# KiCad board ergodonk_simple_zero.kicad_pcb (continued)
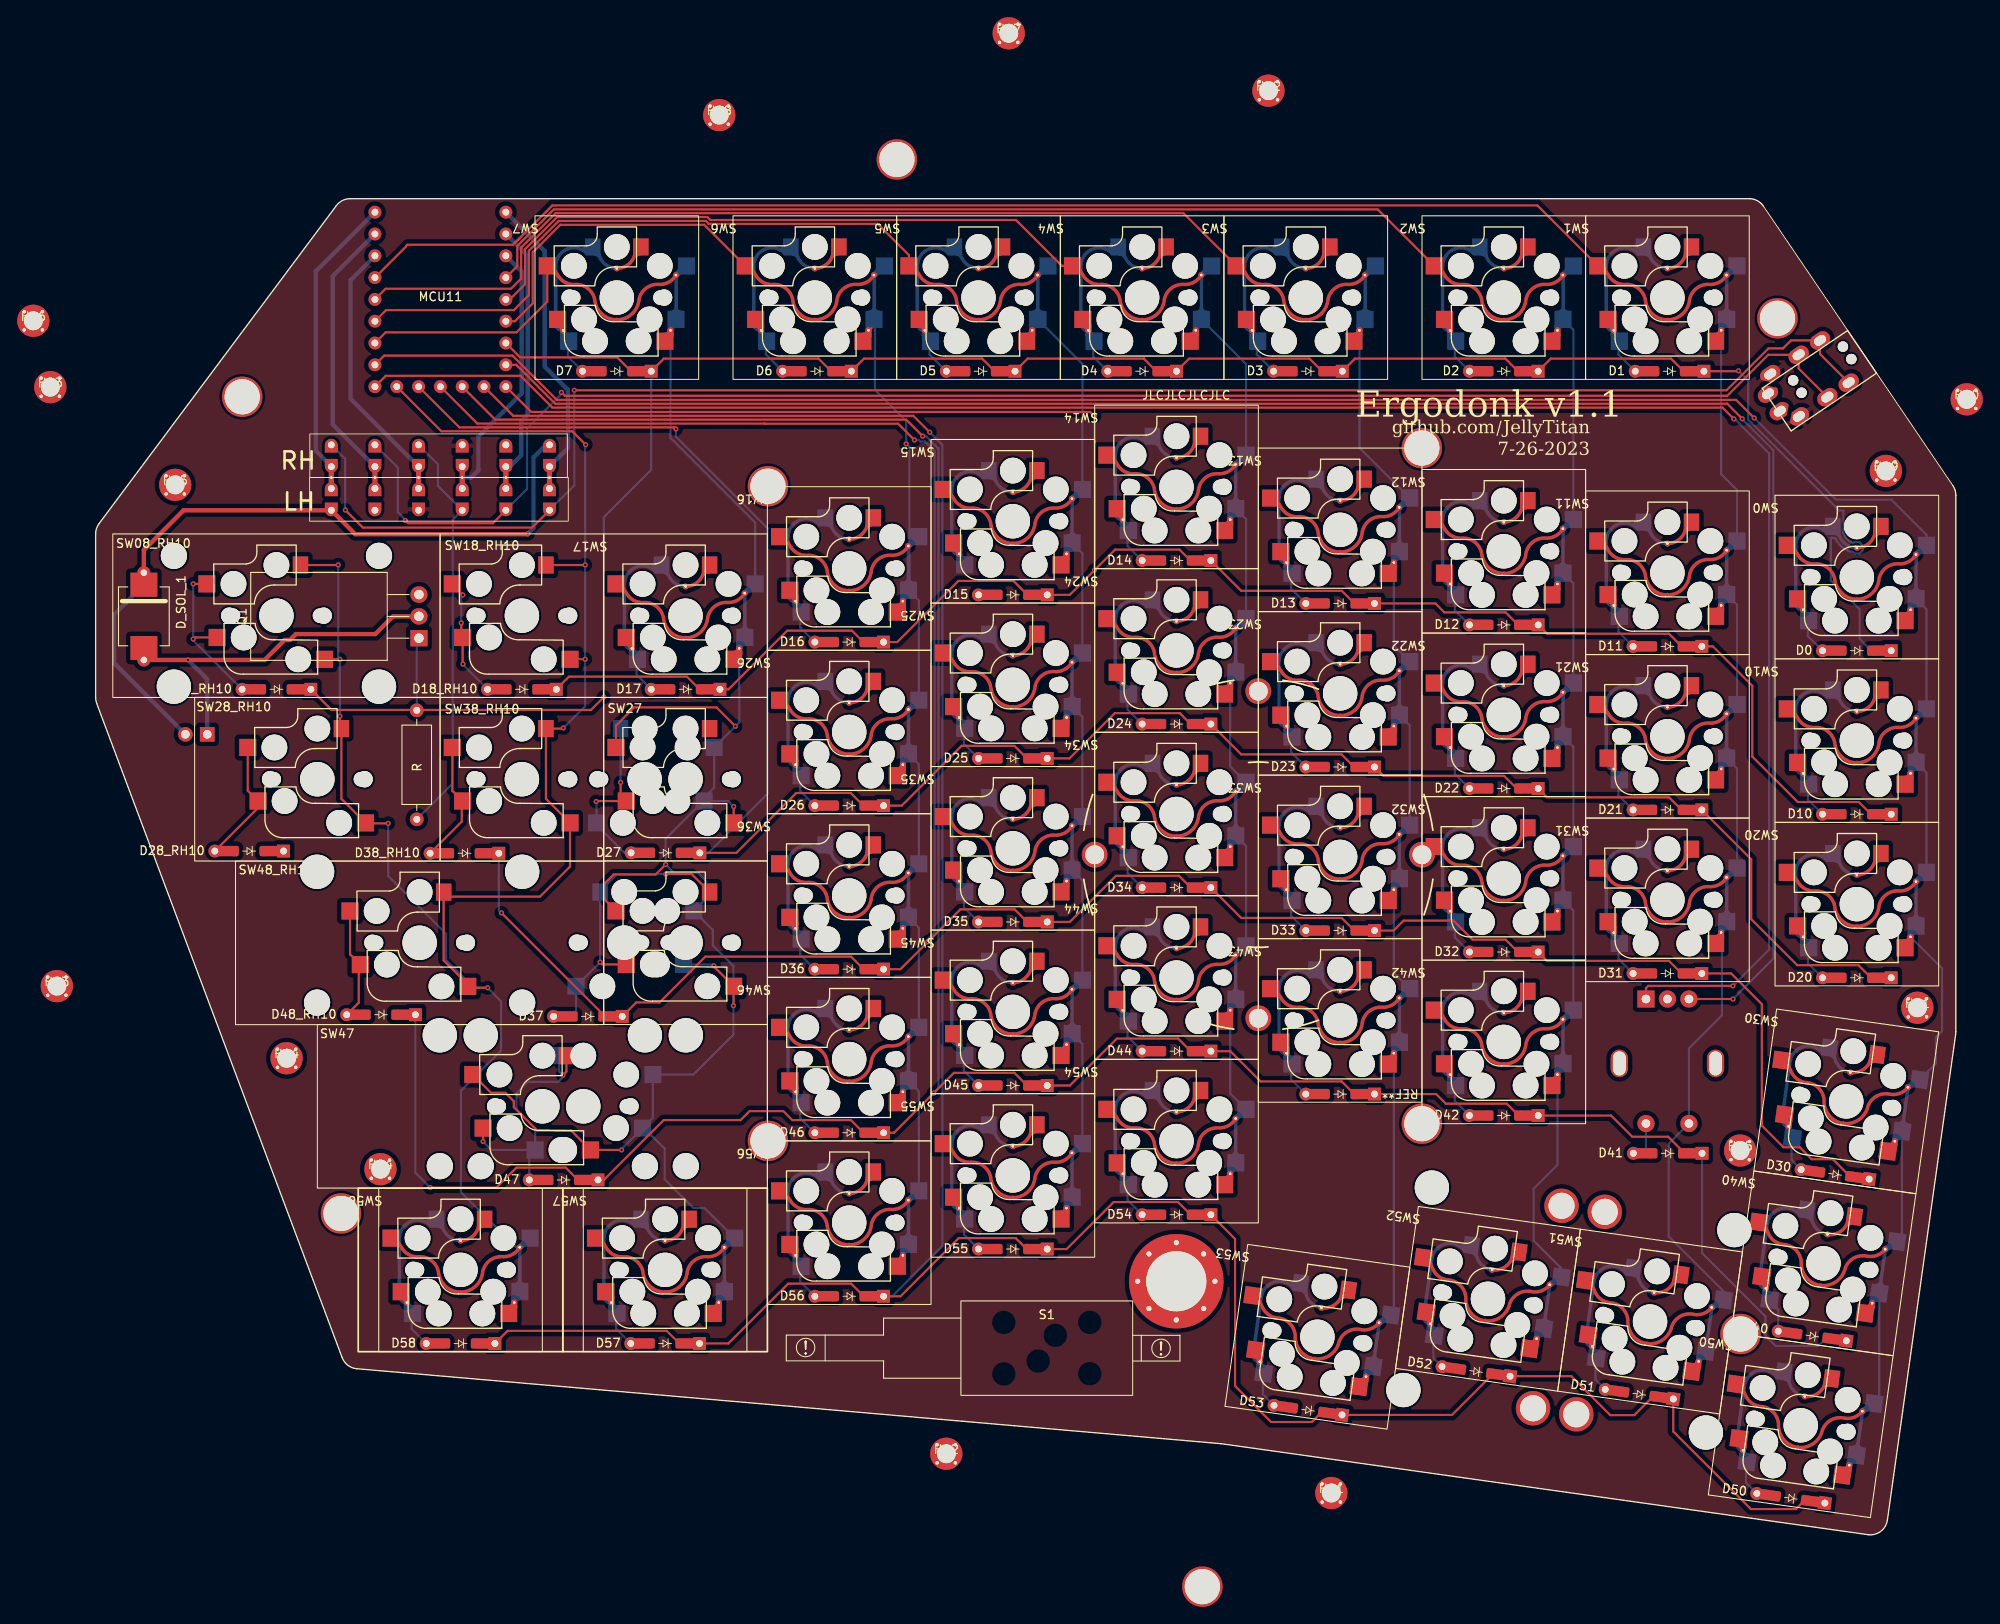
[diagram p0: board, top side]
## Footprints (pads in the part's own frame, mm; a bottom-side part is the same pattern mirrored in y, then rotated)
CherryMX_Choc_Hotswap_ergodonk_simple_zero_56
  round 1.9 hole 1.9 unplated: (-5.5,0) (5.5,0)
  round 1.7 hole 1.7 unplated: (-5.08,0) (5.08,0)
  round 3 hole 3 unplated: (-5,-3.7) (-3.81,2.54) (-2.54,5.08) (0,-5.9) (2.54,5.08) (3.81,2.54) (5,-3.7)
  round 4 hole 4 unplated: (0,0)
  rect 1.8x2 smd: 5(-2.8,-5.9)
  custom 3.033x2.595 smd: 5(0,-3.4)
  round 0.7 hole 0.3: 5(0,-3.4) 5(6.25,3.81) 6(-6.882,-2.624) 6(-6.25,3.81)
  custom 2.983x2.545 smd far side: 5(1.523,-4.027)
  rrect 1.8x2 smd far side: 5(2.8,-5.9)
  rect 2x2 smd far side: 5(5.6,5.08) 6(-8.1,-3.7) 6(-6.9,2.54)
  custom 1.33x1.33 smd: 5(6.19,3.21) 6(-6.29,4.35)
  rect 2x2 smd: 5(6.9,2.54) 6(-5.6,5.08) 6(8.1,-3.7)
  custom 4.025x11.24 smd far side: 5(7.122,-0.355)
  custom 2.385x6.79 smd far side: 6(-6.9,0.06)
  custom 1.33x1.33 smd far side: 6(-6.29,3.34)
  custom 14.792x6.619 smd: 6(-0.004,2.589)
CherryMX_Choc_Hotswap_ergodonk_simple_zero_SS
  round 1.9 hole 1.9 unplated: (-5.5,0) (5.5,0)
  round 1.7 hole 1.7 unplated: (-5.08,0) (5.08,0)
  round 3 hole 3 unplated: (-2.54,5.08) (0,-5.9) (3.81,2.54) (5,-3.7)
  round 4 hole 4 unplated: (0,0)
  rect 2x2 smd: 5(6.9,2.54) 5(8.1,-3.7) 6(-5.6,5.08)
  rect 1.8x2 smd: 6(-2.8,-5.9)
CherryMX_Choc_Hotswap_ergodonk_simple_zero_SS_1.5U
  round 1.9 hole 1.9 unplated: (-5.5,0) (5.5,0)
  round 1.7 hole 1.7 unplated: (-5.08,0) (5.08,0)
  round 3 hole 3 unplated: (-5,3.7) (-3.81,-2.54) (0,5.9) (2.54,-5.08)
  round 4 hole 4 unplated: (0,0)
  rect 2x2 smd: 5(-8.1,3.7) 5(-6.9,-2.54) 6(5.6,-5.08)
  rect 1.8x2 smd: 6(2.8,5.9)
CherryMX_Choc_Hotswap_ergodonk_simple_zero_SS_1.5uLH_1uRH
  round 1.9 hole 1.9 unplated: (-10.262,0) (-5.5,0) (0.738,0) (5.5,0)
  round 1.7 hole 1.7 unplated: (-9.842,0) (-5.08,0) (0.318,0) (5.08,0)
  round 3 hole 3 unplated: (-7.303,-5.08) (-5,3.7) (-4.763,5.9) (-3.81,-2.54) (-0.953,-2.54) (0,5.9) (0.237,3.7) (2.54,-5.08)
  round 4 hole 4 unplated: (-4.763,0) (0,0)
  rect 2x2 smd far side: 5(-10.363,-5.08) 6(2.138,-2.54) 6(3.337,3.7)
  rect 1.8x2 smd far side: 5(-7.562,5.9)
  rect 2x2 smd: 5(-6.9,-2.54) 6(-8.1,3.7) 6(5.6,-5.08)
  rect 1.8x2 smd: 5(2.8,5.9)
CherryMX_Choc_Hotswap_ergodonk_simple_zero_SS_1.75uLH_1uRH
  round 1.9 hole 1.9 unplated: (-12.644,0) (-5.5,0) (-1.644,0) (5.5,0)
  round 1.7 hole 1.7 unplated: (-12.224,0) (-5.08,0) (-2.064,0) (5.08,0)
  round 3 hole 3 unplated: (-9.684,-5.08) (-7.144,5.9) (-5,3.7) (-3.81,-2.54) (-3.334,-2.54) (-2.144,3.7) (0,5.9) (2.54,-5.08)
  round 4 hole 4 unplated: (-7.144,0) (0,0)
  rect 2x2 smd far side: 5(-12.744,-5.08) 6(-0.244,-2.54) 6(0.956,3.7)
  rect 1.8x2 smd far side: 5(-9.944,5.9)
  rect 2x2 smd: 5(-6.9,-2.54) 6(-8.1,3.7) 6(5.6,-5.08)
  rect 1.8x2 smd: 5(2.8,5.9)
CherryMX_Choc_Hotswap_ergodonk_simple_zero_SS_2.25U
  round 3.988 hole 3.988 unplated: (-11.938,8.27) (11.938,8.27)
  round 3.048 hole 3.048 unplated: (-11.938,-6.97) (11.938,-6.97)
  round 1.9 hole 1.9 unplated: (-5.5,0) (5.5,0)
  round 1.7 hole 1.7 unplated: (-5.08,0) (5.08,0)
  round 3 hole 3 unplated: (-5,3.7) (-3.81,-2.54) (0,5.9) (2.54,-5.08)
  round 4 hole 4 unplated: (0,0)
  rect 2x2 smd: 5(-8.1,3.7) 5(-6.9,-2.54) 6(5.6,-5.08)
  rect 1.8x2 smd: 6(2.8,5.9)
CherryMX_Choc_Hotswap_ergodonk_simple_zero_SS_2.25uLH 2.75uRH
  round 3.988 hole 3.988 unplated: (-16.701,7.591) (-11.938,7.591) (7.176,7.591) (11.938,7.591)
  round 3.048 hole 3.048 unplated: (-16.701,-7.649) (-11.938,-7.649) (7.176,-7.649) (11.938,-7.649)
  round 1.9 hole 1.9 unplated: (-10.262,-0.679) (-5.5,-0.679) (0.738,-0.679) (5.5,-0.679)
  round 1.7 hole 1.7 unplated: (-9.842,-0.679) (-5.08,-0.679) (0.318,-0.679) (5.08,-0.679)
  round 3 hole 3 unplated: (-9.762,3.021) (-8.572,-3.219) (-4.763,5.221) (-2.54,-5.759) (-2.223,-5.759) (0,5.221) (3.81,-3.219) (5,3.021)
  round 4 hole 4 unplated: (-4.763,-0.679) (0,-0.679)
  rect 2x2 smd: 5(-11.662,-3.219) 6(-12.863,3.021) 6(0.838,-5.759)
  rect 2x2 smd far side: 5(-5.6,-5.759) 6(6.9,-3.219) 6(8.1,3.021)
  rect 1.8x2 smd far side: 5(-2.8,5.221)
  rect 1.8x2 smd: 5(-1.962,5.221)
CherryMX_Choc_Hotswap_ergodonk_simple_zero_SS_2U
  round 3.048 hole 3.048 unplated: (-11.938,6.97) (11.938,6.97)
  round 3.988 hole 3.988 unplated: (-11.938,-8.27) (11.938,-8.27)
  round 1.9 hole 1.9 unplated: (-5.5,0) (5.5,0)
  round 1.7 hole 1.7 unplated: (-5.08,0) (5.08,0)
  round 3 hole 3 unplated: (-5,3.7) (-3.81,-2.54) (0,5.9) (2.54,-5.08)
  round 4 hole 4 unplated: (0,0)
  rect 2x2 smd: 5(-8.1,3.7) 5(-6.9,-2.54) 6(5.6,-5.08)
  rect 1.8x2 smd: 6(2.8,5.9)
D_SOD-123_DO-35_Hybrid_DoubleSided_ergodonk_simple_zero
  rect 1.5x1.5 hole 0.8: 1(-4,0)
  rect 1.6x1.2 smd far side: 1(-2.75,0) 2(2.7,0)
  rect 1.6x1.2 smd: 1(-2.7,0)
  rrect 0.9x1.2 smd: 1(-1.65,0) 2(1.65,0)
  rrect 0.9x1.2 smd far side: 1(-1.65,0) 2(1.65,0)
  rect 1.94x1.2 smd: 2(2.87,0)
  round 1.5 hole 0.8: 2(4,0)
Hole from sofle for M2 posts gold rimmer
  round 4.7 hole 4.1: (0,0)
Level Shifter Bypass Jumper simple_zero
  rrect 1.6x1.5 hole 0.8: 1(1.27,0) 2(-3.81,0) 2(-1.27,0) 3(-6.35,0)
  round 0.6 hole 0.3: 2(-2.54,0)
M2_Hole_fancy_for_bolt-on-plate
  round 0.5 hole 0.4: 1(-1.061,1.061) 1(-1.061,-1.061) 1(1.061,1.061) 1(1.061,-1.061)
  round 3.75 hole 2.2: 1(0,0)
MJ-4PP-9_CANTOR_KITCHEN_SINK
  round 1.2 hole 1.2 unplated: (-1.75,-1.5) (-1.75,-8.5) (0,-1.5) (0,-8.5)
  rrect 1.7x2.5 hole 1x1.5: 1(-2.1,-11.8) 1(0.35,-11.8) 2(-3.85,-10.3) 2(2.1,-10.3)
  oval 1.7x2.5 hole 1x1.5: 3(-3.85,-6.3) 3(2.1,-6.3) 4(-3.85,-3.3) 4(2.1,-3.3)
MUR340S_IN4001_TH_HYBRID
  rect 2.795x3.12 smd: A(3.683,0) C(-3.683,0)
  rect 2.795x3.12 smd far side: A(3.683,0) C(-3.683,0)
  round 1.524 hole 0.762: A(5.08,0) C(-5.08,0)
PinHeader_1x02_P2.54mm_Vertical
  rect 1.7x1.7 hole 1: 1(0,0)
  oval 1.7x1.7 hole 1: 2(0,-2.54)
R_Axial_DIN0309_L9.0mm_D3.2mm_P12.70mm_Horizontal
  round 1.6 hole 0.8: 1(0,0)
  oval 1.6x1.6 hole 0.8: 2(12.7,0)
RotaryEncoder_EC11_ergodonk_variant
  oval 3.2x2 hole 2.8x1.5 unplated: (0,-5.6) (0,5.6)
  rect 2x2 hole 1: A(-7.5,2.5)
  round 2 hole 1: B(-7.5,-2.5) C(-7.5,0) S1(7,-2.5) S2(7,2.5)
rp2040 Zero simple_zero
  round 1.5 hole 0.8: 1(7.61,10.35) 2(7.61,7.81) 3(7.61,5.27) 4(7.61,2.73) 5(7.61,0.19) 6(7.61,-2.35) 7(7.61,-4.89) 8(7.61,-7.43) 9(7.61,-9.97) 10(5.07,-9.97) 11(2.53,-9.97) 12(-0.01,-9.97) 13(-2.55,-9.97) 14(-5.09,-9.97) 15(-7.63,-9.97) 16(-7.63,-7.43) 17(-7.63,-4.89) 18(-7.63,-2.35) 19(-7.63,0.19) 20(-7.63,2.73) 21(-7.63,5.27) 22(-7.63,7.81) 23(-7.63,10.35)
STAB_MX_P_2u
  round 4 hole 3.048: (-11.906,6.985) (11.906,6.985)
  round 3.988 hole 3.988 unplated: (-11.906,-8.255) (11.906,-8.255)
Tenting_Puck.kicad_mod_nocenter
  round 3 hole 2.2: 1(-19.05,0) 1(0,19.05) 1(0,-19.05) 1(19.05,0)
TO-220-3_Horizontal_TabDown
  oval 3.5x3.5 hole 3.5 unplated: (2.54,16.66)
  rect 1.905x2 hole 1.1: 1(0,0)
  oval 1.905x2 hole 1.1: 2(2.54,0) 3(5.08,0)
uxcell a14092600ux0438 solenoid
  round 0.001 hole 2.2 unplated: (-5,3) (-5,-3) (-1,-1.5) (1,1.5) (5,3) (5,-2.975)
  round 0.9 hole 0.6: 1(10.578,7.792) 1(11.896,10.974) 1(11.896,4.61) 1(15.078,12.292) 1(15.078,3.292) 1(18.26,10.974) 1(18.26,4.61) 1(19.578,7.792)
  round 11 hole 7: 1(15.078,7.792)

## Nets
+5V: D_SOL_1.C J_SOL_1.2 JP10.1 JP13.1
GND: J11.1 JP11.1 JP14.1 Q1.3 SWLH_ROT1.C
VCC: J11.2 JP12.1 JP15.1
col0: MCU11.16 SW0.6 SW10.6 SW20.6 SW30.6 SW40.6 SW50.6
col2: MCU11.4 SW2.6 SW12.6 SW22.6 SW32.6 SW42.6 SW52.6
col3: MCU11.19 SW3.6 SW13.6 SW23.6 SW33.6 SW43.6 SW53.6
col4: MCU11.5 SW4.6 SW14.6 SW24.6 SW34.6 SW44.6 SW54.6
col5: MCU11.18 SW5.6 SW15.6 SW25.6 SW35.6 SW45.6 SW55.6
col6: MCU11.6 SW6.6 SW16.6 SW26.6 SW36.6 SW46.6 SW56.6
col7: MCU11.17 SW7.6 SW17.6 SW27.6 SW37.6 SW47.6 SW57.6
col8: MCU11.14 SW08_RH10.6 SW18_RH10.6 SW28_RH10.6 SW38_RH10.6 SW48_RH10.6 SW58.6
encA: MCU11.15 SWLH_ROT1.A
encB: MCU11.8 SWLH_ROT1.B
row0: D0.1 D1.1 D2.1 D3.1 D4.1 D5.1 D6.1 D7.1 D08_RH10.1 MCU11.7
row1: D10.1 D11.1 D12.1 D13.1 D14.1 D15.1 D16.1 D17.1 D18_RH10.1 MCU11.9
row2: D20.1 D21.1 D22.1 D23.1 D24.1 D25.1 D26.1 D27.1 D28_RH10.1 MCU11.13
row3: D30.1 D31.1 D32.1 D33.1 D34.1 D35.1 D36.1 D37.1 D38_RH10.1 MCU11.12
row4: D40.1 D41.1 D42.1 D43.1 D44.1 D45.1 D46.1 D47.1 D48_RH10.1 MCU11.11
row5: D50.1 D51.1 D52.1 D53.1 D54.1 D55.1 D56.1 D57.1 D58.1 MCU11.10
RX: J11.3 JP11.3 JP14.3
SOLENOID_CONTROL: JP12.3 JP15.3 R2.2
SW41A: MCU11.20 SW1.6 SW11.6 SW21.6 SW31.6 SW51.6 SWLH_ROT1.S1
SW41B: D41.2 SWLH_ROT1.S2
TX: J11.4 JP10.3 JP13.3
Net-(D0-A): D0.2 SW0.5
Net-(D1-A): D1.2 SW1.5
Net-(D2-A): D2.2 SW2.5
Net-(D3-A): D3.2 SW3.5
Net-(D4-A): D4.2 SW4.5
Net-(D5-A): D5.2 SW5.5
Net-(D6-A): D6.2 SW6.5
Net-(D7-A): D7.2 SW7.5
Net-(D08_RH10-A): D08_RH10.2 SW08_RH10.5
Net-(D10-A): D10.2 SW10.5
Net-(D11-A): D11.2 SW11.5
Net-(D12-A): D12.2 SW12.5
Net-(D13-A): D13.2 SW13.5
Net-(D14-A): D14.2 SW14.5
Net-(D15-A): D15.2 SW15.5
Net-(D16-A): D16.2 SW16.5
Net-(D17-A): D17.2 SW17.5
Net-(D18_RH10-A): D18_RH10.2 SW18_RH10.5
Net-(D20-A): D20.2 SW20.5
Net-(D21-A): D21.2 SW21.5
Net-(D22-A): D22.2 SW22.5
Net-(D23-A): D23.2 SW23.5
Net-(D24-A): D24.2 SW24.5
Net-(D25-A): D25.2 SW25.5
Net-(D26-A): D26.2 SW26.5
Net-(D27-A): D27.2 SW27.5
Net-(D28_RH10-A): D28_RH10.2 SW28_RH10.5
Net-(D30-A): D30.2 SW30.5
Net-(D31-A): D31.2 SW31.5
Net-(D32-A): D32.2 SW32.5
Net-(D33-A): D33.2 SW33.5
Net-(D34-A): D34.2 SW34.5
Net-(D35-A): D35.2 SW35.5
Net-(D36-A): D36.2 SW36.5
Net-(D37-A): D37.2 SW37.5
Net-(D38_RH10-A): D38_RH10.2 SW38_RH10.5
Net-(D40-A): D40.2 SW40.5
Net-(D42-A): D42.2 SW42.5
Net-(D43-A): D43.2 SW43.5
Net-(D44-A): D44.2 SW44.5
Net-(D45-A): D45.2 SW45.5
Net-(D46-A): D46.2 SW46.5
Net-(D47-A): D47.2 SW47.5
Net-(D48_RH10-A): D48_RH10.2 SW48_RH10.5
Net-(D50-A): D50.2 SW50.5
Net-(D51-A): D51.2 SW51.5
Net-(D52-A): D52.2 SW52.5
Net-(D53-A): D53.2 SW53.5
Net-(D54-A): D54.2 SW54.5
Net-(D55-A): D55.2 SW55.5
Net-(D56-A): D56.2 SW56.5
Net-(D57-A): D57.2 SW57.5
Net-(D58-A): D58.2 SW58.5
Net-(J_SOL_1-Pin_1): D_SOL_1.A J_SOL_1.1 Q1.2
Net-(JP10-C): JP10.2 MCU11.1
Net-(JP11-C): JP11.2 MCU11.2
Net-(JP12-C): JP12.2 MCU11.3
Net-(JP13-C): JP13.2 MCU11.23
Net-(JP14-C): JP14.2 MCU11.22
Net-(JP15-C): JP15.2 MCU11.21
Net-(Q1-B): Q1.1 R2.1

Pads without a net: H11 1; H12 1; H13 1; H14 1; H15 1; H16 1; H17 1; H18 1; H19 1; H20 1; H21 1; H22 1; H23 1; H24 1; H25 1; REF** 1; S1 1

## Via types
v1: diameter 0.6, hole 0.3, Top to Bottom, 50 vias

## Routing (per net, layer and track width the routed paths; a pad name or vN(x,y) marks a point on that pad's centre or on a via; arc(x,y) is an arc through that point)
+5V: length 84.4
  Top w0.5: v1(50.33,116.59) 50.27,116.54 30.22,116.54 JP13.1 10.24,119.33 5.61,114.7 D_SOL_1.C
  Bottom w0.5: J_SOL_1.2 2.16,101.52 2.16,107.19 D_SOL_1.C ; JP10.1 52.42,126.95 50.97,125.5 50.97,117.24 v1(50.33,116.59)
col0: length 263
  Top w0.25: MCU11.16 33.59,137.34 48.53,137.34 53.68,132.19 190.96,132.19 v1(193.07,130.08)
  Bottom w0.25: SW0.6 213.12,107.81 SW10.6 ; SW20.6 213.12,88.76 SW10.6 ; SW30.6 210.27,34.74 SW40.6 ; SW30.6 214.22,54.9 214.22,57.92 214.94,58.65 214.94,65.97 SW20.6 ; SW50.6 207.62,15.87 SW40.6 ; SW0.6 213.12,116.5 209.06,120.57 202.58,120.57 v1(193.07,130.08)
col2: length 205.3
  Top w0.25: MCU11.4 49.08,147.76 49.08,150.11 53.35,154.38 149.25,154.38 SW2.6 ; 170.33,140.34 170.27,140.29
  Bottom w0.25: SW12.6 172.02,110.81 SW22.6 ; SW52.6 170.62,31.02 167.39,34.25 167.39,40.3 170.18,43.08 SW42.6 ; SW22.6 172.02,91.76 SW32.6 ; SW42.6 172.02,72.71 SW32.6 ; SW12.6 172.02,140.36 SW2.6
col3: length 199.8
  Top w0.25: SW3.6 126.64,153.93 53.54,153.93 49.53,149.92 49.53,146.31 48.36,145.13 33.75,145.13 MCU11.19
  Bottom w0.25: SW53.6 151.12,25.95 SW43.6 ; 151.28,75.19 151.23,75.14 151.28,75.08 ; SW3.6 147.12,126.6 SW13.6 ; 151.28,56.14 151.23,56.09 ; SW13.6 151.12,103.55 SW23.6 ; SW33.6 151.12,65.45 SW43.6 ; SW23.6 152.98,94.26 SW33.6
col4: length 143.9
  Top w0.25: MCU11.5 48.22,143.89 49.98,145.66 49.98,149.74 53.72,153.48 71.22,153.48 71.56,153.14 107.14,153.14 112.48,147.8 SW4.6
  Bottom w0.25: SW24.6 133.93,118.31 SW14.6 ; SW44.6 132.07,51.4 SW54.6 ; SW14.6 133.93,136.36 SW4.6 ; SW34.6 132.07,89.5 SW24.6 ; SW44.6 133.93,80.21 SW34.6
col5: length 148.2
  Top w0.25: SW5.6 94.67,149.05 91.03,152.69 71.37,152.69 71.03,153.03 53.91,153.03 50.44,149.55 50.44,144.39 48.68,142.64 33.8,142.64 MCU11.18 ; 109.18,140.34 109.12,140.29
  Bottom w0.25: SW25.6 114.87,95.26 SW35.6 ; SW5.6 114.87,136.36 SW15.6 ; SW55.6 114.87,57.16 SW45.6 ; SW15.6 114.87,114.31 SW25.6 ; SW45.6 114.87,76.21 SW35.6
col6: length 124.8
  Top w0.25: SW6.6 70.84,152.58 54.09,152.58 50.89,149.37 50.89,143.41 48.82,141.35 MCU11.6 ; 90.33,140.55 90.08,140.29
  Bottom w0.25: SW36.6 95.83,70.71 SW46.6 ; SW36.6 95.83,89.76 SW26.6 ; SW46.6 95.83,51.66 SW56.6 ; SW26.6 95.83,108.81 SW16.6 ; 90.72,141.52 90.72,133.35 94.36,129.72 v1(94.36,127.06) 94.73,126.69 94.73,109.97
col7: length 221
  Top w0.25: v1(74.25,61.62) 74.27,61.65 SW37.6 71.97,66.18 v1(71.97,66.26) ; v1(74.48,94.16) 72.27,96.37 62.69,96.37 60.58,94.26 SW27.6 ; SW27.6 v1(74.27,84.82) ; SW7.6 52.58,143.63 49,140.05 33.75,140.05 MCU11.17 ; SW37.6 59.25,73.98 59.25,75.85 60.31,76.91 65.2,76.91 v1(66.36,78.06) ; SW47.6 46.03,51.48 47.69,51.48 48.69,50.49 48.69,49.8 51.41,47.07 55.35,47.07 SW47.6 v1(61.23,44.82)
  Bottom w0.25: SW7.6 66.92,127.75 76.77,117.9 SW17.6 ; v1(74.27,84.82) 73.64,85.46 SW27.6 70.81,85.81 72.01,87.01 SW27.6 v1(74.48,94.16) 74.92,94.61 SW17.6 ; 71.84,69.97 71.84,70.45 SW37.6 71.08,74.1 71.08,76.12 70.11,77.09 67.33,77.09 v1(66.36,78.06) 66.36,81.05 71,85.7 ; 71.84,69.97 71.84,68.64 74.25,66.24 v1(74.25,61.62) 74.25,58.26 69.58,53.6 SW47.6 64.87,48.56 SW47.6 61.23,44.92 v1(61.23,44.82) ; 71.84,69.97 71.84,70.47 ; SW57.6 74.39,34.55 70.88,38.06 69.59,38.06 66.25,41.41 66.25,44.96 63.85,47.36 ; 68.43,66.42 71.81,66.42 v1(71.97,66.26) ; 75.02,103.23 75.02,103.24
col8: length 222.2
  Top w0.2: SW18_RH10.6 v1(56.98,101.97)
  Top w0.25: SW48_RH10.6 43.32,64.09 40.52,66.89 SW48_RH10.6 41.04,74.33 51.73,74.33 55.22,77.82 SW38_RH10.6 52.42,85.72 SW38_RH10.6 54.38,93.9 v1(54.44,93.97) ; v1(34.05,82.86) 31.71,82.86 31.65,82.92 ; MCU11.14 40.25,128.53 55.48,128.53 v1(57.05,126.97) ; SW28_RH10.6 28.61,85.72 SW28_RH10.6 28.43,94.07 v1(28.43,95.35) ; v1(28.24,112.97) 28.23,112.95 23.85,112.95 ; v1(56.98,112.97) 56.97,112.95 SW18_RH10.6 ; v1(45.64,63.71) 43.72,63.71 43.56,63.87 ; SW08_RH10.6 28.42,101.97 v1(28.43,101.96)
  Bottom w0.25: 48.83,27.04 49.27,27.48 49.27,33.16 42.52,39.91 42.52,51.72 47.2,56.39 47.2,62.14 v1(45.64,63.71) 44,63.71 40.8,66.91 40.8,69.98 34.05,76.73 v1(34.05,82.86) ; v1(28.24,112.97) 28.24,102.15 v1(28.43,101.96) v1(28.43,95.35) ; v1(57.05,126.97) 56.98,126.91 v1(56.98,112.97) v1(56.98,101.97) 56.98,96.51 v1(54.44,93.97)
encA: length 242.1
  Top w0.25: v1(190.61,63.93) 180.75,63.93 180.48,63.65 SWLH_ROT1.A ; MCU11.15 33.77,134.99 49.47,134.99 53.17,131.29 189.38,131.29 v1(190.7,129.97)
  Bottom w0.25: v1(190.61,63.93) 194.81,68.14 194.81,71.29 ; 194.81,71.29 194.81,125.97 190.81,129.97 v1(190.7,129.97) ; 194.81,71.29 194.81,71.06
encB: length 222.7
  Top w0.25: v1(191.68,129.99) 189.93,131.74 53.5,131.74 48.97,136.27 MCU11.8 ; SWLH_ROT1.B v1(190.61,62.4)
  Bottom w0.25: v1(190.61,62.4) 195.3,67.09 195.3,126.32 191.68,129.94 v1(191.68,129.99)
row0: length 261.9
  Top w0.25: D7.1 66.14,136.99 84.16,136.99 D6.1 ; D1.1 184.87,135.52 183.39,136.99 169.39,136.99 D2.1 ; D5.1 104.67,135.52 103.2,136.99 89.44,136.99 D6.1 ; v1(191.24,135.57) 191.2,135.52 D1.1 187.23,135.18 ; v1(59.16,97.56) 57.66,96.07 27.45,96.07 D08_RH10.1 ; D2.1 164.11,136.99 146.59,136.99 D3.1 ; D4.1 127.3,136.99 141.31,136.99 D3.1 ; D0.1 D0.1 ; MCU11.7 49.42,137.14 60.7,137.14 D7.1 ; D4.1 122.07,136.93 122.07,136.99 108.49,136.99 D5.1
  Bottom w0.25: D7.1 64.67,124.04 59.16,118.52 v1(59.16,97.56) ; 208.02,102.97 D0.1 ; D0.1 206.68,103.01 205.36,104.33 205.36,107.79 201.99,111.15 201.99,116.12 202.24,116.12 202.39,116.1 202.45,116.08 202.5,116.05 202.54,116.02 202.58,115.98 202.6,115.94 202.61,115.9 202.61,115.9 202.69,115.69 202.76,115.66 202.79,115.6 202.98,115.36 202.98,115.36 202.99,115.34 203.01,115.32 203.25,115.07 203.27,115.06 203.28,115.05 203.29,115.05 203.53,114.86 203.84,114.69 204.16,114.55 204.5,114.46 204.56,114.46 204.75,114.27 205.3,114.27 205.7,114.67 205.7,115.23 205.3,115.62 204.75,115.62 204.65,115.52 204.5,115.56 204.31,115.64 204.12,115.75 203.95,115.88 203.8,116.03 203.67,116.19 203.58,116.35 203.57,116.37 203.55,116.4 203.48,116.57 203.45,116.69 203.45,119.3 202.96,119.3 192.38,129.88 192.38,134.43 v1(191.24,135.57)
row1: length 252.5
  Top w0.25: D15.1 113.4,109.47 v1(116.27,112.35) 118.67,114.75 126.17,114.75 127.45,113.47 D14.1 ; D18_RH10.1 55.09,99.94 68.84,99.94 70.31,98.47 D17.1 ; MCU11.9 50.7,130.78 115.77,130.78 v1(116.26,130.3) ; D11.1 183.15,104.94 168.95,104.94 D12.1 ; D11.1 188.26,103.47 192.86,98.88 192.86,90.63 198.13,85.35 205.25,85.35 D10.1 ; D12.1 165.57,106 164.14,107.43 157.01,107.43 155.97,108.47 D13.1 ; D16.1 93.31,103.97 100.43,111.09 106.86,111.09 108.42,109.52 D15.1 ; D16.1 89.38,103.98 88.05,105.3 80.5,105.3 73.67,98.47 D17.1 ; D14.1 133.36,109.94 145.06,109.94 146.52,108.48 D13.1
  Bottom w0.25: v1(116.27,112.35) 116.26,112.37 v1(116.26,130.3)
row2: length 237.9
  Top w0.25: D22.1 165.43,86.92 163.95,88.39 149.9,88.39 D23.1 ; D21.1 183.15,85.89 168.95,85.89 D22.1 ; v1(67.55,128.8) 67.37,128.98 42.34,128.98 MCU11.13 ; D25.1 108.42,90.42 106.95,91.89 100.81,91.89 93.84,84.92 D26.1 ; D27.1 74.59,79.42 81.56,86.39 87.91,86.39 D26.1 ; D20.1 205.21,66.34 198.08,66.34 192.73,71.7 192.73,78.67 D21.1 ; D23.1 146.5,89.42 145.04,90.89 133.36,90.89 D24.1 ; D24.1 126.23,95.66 126.23,95.7 118.64,95.7 113.37,90.42 D25.1
  Bottom w0.25: D27.1 71.33,79.42 78.22,86.31 78.22,117.21 67.55,127.88 v1(67.55,128.8)
row3: length 304.7
  Top w0.25: MCU11.12 44.44,129.43 77.86,129.43 77.88,129.41 93.42,129.41 v1(95.32,127.51) ; D31.1 190.39,65.37 193.96,61.8 193.96,47.65 196.49,45.13 198.38,45.13 199.76,43.74 202.21,43.74 204.13,41.82 D30.1 ; D34.1 127.48,75.4 126.12,76.75 118.77,76.75 113.4,71.37 D35.1 ; D37.1 59.3,60.37 v1(47.25,72.43) ; D37.1 62.92,61.99 65.64,61.99 70.97,67.33 87.94,67.33 89.38,65.9 D36.1 ; D31.1 183.15,66.84 168.95,66.84 D32.1 ; D35.1 108.42,71.39 106.98,72.84 100.66,72.84 v1(96.88,69.06) 93.69,65.87 D36.1 ; D33.1 151.1,70.37 152.25,71.53 158.07,71.53 160.28,69.32 164.13,69.32 D32.1 ; D33.1 145.06,71.84 133.36,71.84 D34.1
  Bottom w0.25: D38_RH10.1 46.94,72.74 v1(47.25,72.43) ; v1(96.88,69.06) 96.88,69.35 97.67,70.14 97.67,126.2 96.53,127.34 96.02,127.34 95.84,127.51 v1(95.32,127.51)
row4: length 335.9
  Top w0.25: D42.1 165.57,48.9 164.27,50.2 157.18,50.2 156.06,51.32 D43.1 ; D44.1 132.09,56.32 135.62,52.79 145.06,52.79 D43.1 ; D47.1 59.16,41.32 66.13,48.29 75.08,48.29 76.12,49.34 80.05,49.34 81.1,48.29 87.91,48.29 89.38,46.83 D46.1 ; D41.1 184.65,44.76 183.06,46.36 178.88,46.36 176.41,48.82 D42.1 ; v1(96.27,127.96) 94.36,129.88 46.52,129.88 MCU11.11 ; D44.1 127.48,56.33 126.02,57.79 118.89,57.79 113.42,52.32 D45.1 ; D46.1 92.94,46.82 v1(97.55,51.44) 99.91,53.79 106.95,53.79 D45.1 ; D47.1 56.14,41.34 54.72,42.75 48.98,42.75 46.66,40.44 v1(38.94,40.44)
  Bottom w0.25: D48_RH10.1 37.22,42.16 v1(38.94,40.44) ; D40.1 200.53,21.98 195.59,21.98 194.38,23.19 194.38,25.42 187,32.8 D41.1 ; v1(97.55,51.44) 98.11,52 98.11,126.51 96.67,127.96 v1(96.27,127.96)
row5: length 342.1
  Top w0.25: D55.1 113.03,33.27 118.5,38.74 126.01,38.74 D54.1 ; MCU11.10 48.61,130.33 95.18,130.33 v1(97.1,128.41) ; D57.1 73.65,22.27 80.62,29.24 87.94,29.24 89.38,27.81 D56.1 ; D53.1 157.89,13.95 162.33,18.38 D52.1 ; D56.1 93.7,27.77 100.48,34.55 107.11,34.55 108.38,33.27 D55.1 ; D51.1 183.66,12.01 192.69,2.99 197.94,2.99 D50.1 200.97,4.01 D50.1 ; D54.1 132.64,34.45 132.64,17.32 136.83,13.13 141.58,13.13 142.74,14.28 D53.1 ; D57.1 67.94,22.28 66.48,23.74 47.95,23.74 D58.1 ; 164.66,18.16 D52.1 171.79,18.46 176.32,13.93 179.12,13.93 D51.1
  Bottom w0.25: v1(97.1,128.41) 98.57,126.95 98.57,33.61 92.72,27.77 D56.1
RX: length 191.6
  Top w0.25: JP11.3 46.25,117.82 36.36,117.82 v1(36.05,118.13) ; v1(54.22,133.06) 54.62,132.66 189.94,132.66 194.71,137.43 J11.3 198.25,135.84 J11.3
  Bottom w0.25: v1(36.05,118.13) 36.05,118.23 35.17,119.11 35.17,124.29 JP14.3 ; JP11.3 50.22,121.8 50.22,128.86 54.22,132.85 v1(54.22,133.06)
SOLENOID_CONTROL: length 47.9
  Bottom w0.25: R2.2 41.58,87.52 41.58,118.23 JP12.3 39.84,122.16 39.84,124.7 JP15.3
SW41A: length 249.6
  Top w0.25: MCU11.20 36.13,150.04 36.13,150.1 36.28,150.26 48.59,150.26 49.5,151.17 ; SW1.6 167.84,154.83 53.16,154.83 48.83,150.49
  Bottom w0.25: 189.32,70.14 189.32,60.49 185.48,56.64 SWLH_ROT1.S1 183.12,45.55 183.12,34.73 189.49,28.37 SW51.6 ; SW21.6 191.07,89.26 SW31.6 ; SW11.6 191.07,108.31 SW21.6 ; SW1.6 189.23,123.53 191.07,121.68 SW11.6
SW41B: length 3.5
  Bottom w0.25: SWLH_ROT1.S2 180.48,44.59 D41.2
TX: length 202.6
  Top w0.25: v1(29.08,119.35) 31.11,117.32 50.83,117.32 JP10.3 ; J11.4 200.74,137.52 J11.4 197.36,139.11 196.43,138.18 194.74,138.18 189.86,133.3 v1(55.72,133.3)
  Bottom w0.25: v1(29.08,119.35) 29.05,119.38 29.05,125.34 JP13.3 ; JP10.3 55.72,122.21 v1(55.72,133.3)
Net-(D0-A): length 4.2
  Bottom w0.25: 199.32,106.43 199.32,104.67 D0.2
Net-(D1-A): length 4.3
  Bottom w0.25: D1.2 177.27,137.47 177.27,138.98
Net-(D2-A): length 4.2
  Bottom w0.25: D2.2 158.23,137.22 158.23,138.98
Net-(D3-A): length 4.3
  Bottom w0.25: 135.18,138.98 135.18,137.47 D3.2
Net-(D4-A): length 4.2
  Bottom w0.25: D4.2 116.12,137.22 116.12,138.98
Net-(D5-A): length 4.3
  Bottom w0.25: 97.08,138.98 97.08,137.47 D5.2
Net-(D6-A): length 4.3
  Bottom w0.25: D6.2 78.02,137.47 78.02,138.98
Net-(D7-A): length 4.2
  Bottom w0.25: D7.2 54.97,137.22 54.97,138.98
Net-(D08_RH10-A): length 19.1
  Top w0.25: SW08_RH10.5 v1(11.36,110.75) ; v1(11.36,104.33) 11.55,104.51 SW08_RH10.5
  Bottom w0.25: D08_RH10.2 11.36,104.16 v1(11.36,104.33) v1(11.36,110.75)
Net-(D10-A): length 4.2
  Bottom w0.25: 199.32,87.38 199.32,85.62 D10.2
Net-(D11-A): length 4.2
  Bottom w0.25: 177.27,106.93 177.27,105.17 D11.2
Net-(D12-A): length 4.2
  Bottom w0.25: 158.23,109.43 158.23,107.67 D12.2
Net-(D13-A): length 4.2
  Bottom w0.25: 139.18,111.93 139.18,110.17 D13.2
Net-(D14-A): length 4.2
  Bottom w0.25: 120.12,116.93 120.12,115.17 D14.2
Net-(D16-A): length 4.2
  Bottom w0.25: D16.2 82.02,105.67 82.02,107.43
Net-(D17-A): length 4.2
  Bottom w0.25: D17.2 62.97,100.17 62.97,101.93
Net-(D18_RH10-A): length 14.1
  Top w0.25: SW18_RH10.5 41.52,110.68 v1(42.74,109.46) ; v1(42.77,101.41) 42.72,101.45 SW18_RH10.5 42.56,104.67 v1(42.56,106.21)
  Bottom w0.25: v1(42.77,101.41) 42.77,101.33 D18_RH10.2 ; v1(42.74,109.46) 42.56,109.28 v1(42.56,106.21)
Net-(D20-A): length 4.2
  Bottom w0.25: D20.2 199.32,66.57 199.32,68.33
Net-(D21-A): length 4.2
  Bottom w0.25: D21.2 177.27,86.12 177.27,87.88
Net-(D22-A): length 4.2
  Bottom w0.25: 158.23,90.38 158.23,88.62 D22.2
Net-(D23-A): length 4.2
  Bottom w0.25: D23.2 139.18,91.12 139.18,92.88
Net-(D24-A): length 4.2
  Bottom w0.25: 120.12,97.88 120.12,96.12 D24.2
Net-(D25-A): length 4.2
  Bottom w0.25: 101.08,93.88 101.08,92.12 D25.2
Net-(D26-A): length 4.2
  Bottom w0.25: D26.2 82.02,86.62 82.02,88.38
Net-(D27-A): length 20.4
  Top w0.25: v1(58.27,85.4) 58.33,85.46 SW27.5 61.11,86.12 v1(61.11,87.63)
  Bottom w0.25: SW27.5 58.31,85.36 v1(58.27,85.4) ; SW27.5 61.11,87.63 v1(61.11,87.63) ; D27.2 61.57,79.42 58.07,82.92
Net-(D28_RH10-A): length 14.7
  Top w0.25: D28_RH10.2 18.91,84.66 SW28_RH10.5 17.71,86.66 SW28_RH10.5
Net-(D30-A): length 4.1
  Bottom w0.25: D30.2 197.43,43.63 197.43,46.19
Net-(D31-A): length 4.2
  Bottom w0.25: D31.2 177.27,67.07 177.27,68.83
Net-(D32-A): length 4.2
  Bottom w0.25: 158.23,71.33 158.23,69.57 D32.2
Net-(D33-A): length 4.2
  Bottom w0.25: D33.2 139.18,72.07 139.18,73.83
Net-(D34-A): length 4.2
  Bottom w0.25: 120.12,78.83 120.12,77.07 D34.2
Net-(D35-A): length 4.2
  Bottom w0.25: 101.08,74.83 101.08,73.07 D35.2
Net-(D36-A): length 4.2
  Bottom w0.25: 82.02,69.33 82.02,67.57 D36.2
Net-(D37-A): length 33.4
  Top w0.25: SW37.5 69.39,76.95 v1(66.38,76.95) ; v1(58.73,66.68) 58.99,66.42 61.77,66.42
  Bottom w0.25: D37.2 55.93,60.65 SW37.5 v1(58.73,66.68) SW37.5 58.73,74.96 60.72,76.95 v1(66.38,76.95)
Net-(D38_RH10-A): length 14.3
  Top w0.25: SW38_RH10.5 41.52,86.66 SW38_RH10.5 ; 42.62,85.42 42.62,83.06 D38_RH10.2
Net-(D40-A): length 4.1
  Bottom w0.25: 194.78,27.33 195.87,26.24 D40.2
Net-(D42-A): length 4.2
  Bottom w0.25: D42.2 158.23,50.52 158.23,52.28
Net-(D43-A): length 4.2
  Bottom w0.25: D43.2 139.18,53.02 139.18,54.78
Net-(D44-A): length 4.2
  Bottom w0.25: D44.2 120.12,58.02 120.12,59.78
Net-(D45-A): length 4.2
  Bottom w0.25: 101.08,55.78 101.08,54.02 D45.2
Net-(D46-A): length 4.2
  Bottom w0.25: 82.02,50.28 82.02,48.52 D46.2
Net-(D47-A): length 31.2
  Top w0.25: SW47.5 45.11,47.35 v1(45.11,45.8) ; v1(54.39,53.52) 54.81,53.94 SW47.5
  Bottom w0.25: v1(45.11,45.8) 46.08,44.82 SW47.5 ; 50.93,44.82 50.48,44.37 ; SW47.5 51.17,47.37 49.02,49.53 49.02,51.45 50.31,52.75 53.86,52.75 54.39,53.28 v1(54.39,53.52) 53.97,53.94 SW47.5 ; SW47.5 50.48,44.13 D47.2
Net-(D48_RH10-A): length 13.2
  Top w0.25: D48_RH10.2 30.63,61.97 30.63,66.41 ; SW48_RH10.5 29.62,67.61 SW48_RH10.5
Net-(D50-A): length 4.2
  Bottom w0.25: D50.2 192.13,6.05 192.13,8.46
Net-(D51-A): length 4.1
  Bottom w0.25: 174.59,20.55 174.59,18.06 D51.2
Net-(D52-A): length 4
  Bottom w0.25: 155.73,23.2 155.73,20.57 D52.2
Net-(D53-A): length 4.3
  Bottom w0.25: D53.2 135.87,16.37 135.87,18.78
Net-(D54-A): length 4.2
  Bottom w0.25: 120.12,40.73 120.12,38.97 D54.2
Net-(D55-A): length 4.2
  Bottom w0.25: D55.2 101.08,34.97 101.08,36.73
Net-(D56-A): length 4.2
  Bottom w0.25: 82.02,31.23 82.02,29.47 D56.2
Net-(D57-A): length 4.2
  Bottom w0.25: D57.2 60.59,23.97 60.59,25.73
Net-(D58-A): length 4.2
  Bottom w0.25: D58.2 36.78,23.97 36.78,25.73
Net-(J_SOL_1-Pin_1): length 43.7
  Top w0.5: Q1.2 34.61,106.97 32.55,104.91 23.31,104.91 22.62,104.22 22,104.22 19.67,101.89 v1(10.75,101.89) D_SOL_1.A
  Bottom w0.5: J_SOL_1.1 12.99,99.65 v1(10.75,101.89)
Net-(JP10-C): length 33.5
  Bottom w0.5: JP10.2 54.97,126.54 54.97,132.75 54.97,132.75 54.97,133.37 52.28,136.06 52.28,149.52 MCU11.1
Net-(JP11-C): length 29.5
  Bottom w0.5: MCU11.2 50.3,148.97 50.3,130.43 49.55,129.68 49.55,125.73 48.22,124.41 JP11.2
Net-(JP12-C): length 30.3
  Bottom w0.5: MCU11.3 49.59,147.13 49.59,132.93 44.55,127.89 44.55,123.99 43.7,123.14 JP12.2 ; 42.89,124.41 JP12.2
Net-(JP13-C): length 33.2
  Bottom w0.5: MCU11.23 25.63,147.17 25.63,126.26 27.43,124.46 JP13.2
Net-(JP14-C): length 31.2
  Bottom w0.5: MCU11.22 27.6,146.6 27.6,129.32 JP14.2
Net-(JP15-C): length 29
  Bottom w0.5: MCU11.21 29.67,146.13 29.67,132.33 JP15.2
Net-(Q1-B): length 8.5
  Bottom w0.25: R2.1 37.39,104.18 Q1.1

## Copper pours and planes (outline as drawn; the poured copper is in the pictures)
GND on Bottom: -30.48,16.13 225.46,-5.88 231.25,162.43 4.74,160.66 -29.8,16.45
VCC on Top: 0.12,158.49 223.52,158.56 222.06,-5.27 -6.48,16.13 0.8,158.17

## Text on the board
B.Silkscreen: LH | RH
F.Silkscreen: JLCJLCJLCJLC | RH | LH | github.com/JellyTitan / 7-26-2023 | Ergodonk v1.1
